# Allegro board 8880F5-0827_6.brd (continued)
## Routing (per net, layer and track width the routed paths; a pad name or vN(x,y) marks a point on that pad's centre or on a via; arc(x,y) is an arc through that point) (continued)
; D103.B4 314.96,61.77 ; D103.B4 315.77,60.96 ; 252.33,180.85 SITE3.G5 ; SITE3.G5 252.33,181.81 ; SITE3.G5 251.85,181.33 ; SITE3.G5 252.81,181.33 ; D104.B1 307.34,38.91 ; D104.B1 308.15,38.1 ; D104.B1 307.34,37.29 ; D104.B1 306.53,38.1 ; 187.15,76.2 D118.A12 ; D118.A12 188.77,76.2 ; D118.A12 187.96,77.01 ; D118.A12 187.96,75.39 ; D109.A13 391.16,336.09 ; D109.A13 391.97,335.28 ; D109.A13 390.35,335.28 ; D109.A13 391.16,334.47 ; 160.02,385.27 D431.A17 ; D431.A17 159.21,386.08 ; D431.A17 160.02,386.89 ; D431.A17 160.83,386.08 ; D305.B13 412.19,88.9 ; D305.B13 411.48,89.61 ; D305.B13 410.77,88.9 ; D305.B13 411.48,88.19 ; D116.A13 317.5,397.05 ; D116.A13 317.5,395.43 ; D116.A13 316.69,396.24 ; D116.A13 318.31,396.24 ; D104.B4 314.96,41.45 ; D104.B4 315.77,40.64 ; D104.B4 314.96,39.83 ; D104.B4 314.15,40.64 ; D103.B16 346.25,60.96 ; D103.B16 345.44,61.77 ; D103.B16 345.44,60.15 ; D103.B16 344.63,60.96 ; D111.B16 383.54,369.11 ; D111.B16 383.54,367.49 ; D111.B16 384.35,368.3 ; D111.B16 382.73,368.3 ; 325.12,347.17 D114.B10 ; D114.B10 324.31,347.98 ; D114.B10 325.12,348.79 ; D114.B10 325.93,347.98 ; 175.26,385.27 D431.A11 ; D431.A11 174.45,386.08 ; D431.A11 176.07,386.08 ; D431.A11 175.26,386.89 ; 419.1,34.75 D108.A16 ; D108.A16 419.1,36.37 ; D108.A16 419.91,35.56 ; D108.A16 418.29,35.56 ; 193.04,90.73 D317.B14 ; D317.B14 193.04,92.15 ; D317.B14 193.75,91.44 ; D317.B14 192.33,91.44 ; D302.B14 340.36,71.83 ; D302.B14 339.65,71.12 ; D302.B14 341.07,71.12 ; D302.B14 340.36,70.41 ; 383.54,372.57 D111.A16 ; D111.A16 382.73,373.38 ; D111.A16 384.35,373.38 ; D111.A16 383.54,374.19 ; 391.16,18.24 DPS1.C05 ; DPS1.C05 390.35,19.05 ; DPS1.C05 391.97,19.05 ; DPS1.C05 391.16,19.86 ; 93.17,76.2 D130.A4 ; D130.A4 93.98,77.01 ; D130.A4 93.98,75.39 ; D130.A4 94.79,76.2 ; D111.B3 417.37,370.84 ; D111.B3 415.75,370.84 ; D111.B3 416.56,371.65 ; D111.B3 416.56,370.03 ; 332.74,375.11 D115.A7 ; D115.A7 333.55,375.92 ; D115.A7 331.93,375.92 ; D115.A7 332.74,376.73 ; 328.55,246.43 SITE2.G17 ; SITE2.G17 329.03,245.95 ; SITE2.G17 329.03,246.91 ; SITE2.G17 329.51,246.43 ; D321.B6 246.38,92.15 ; D321.B6 245.67,91.44 ; D321.B6 247.09,91.44 ; D321.B6 246.38,90.73 ; 251.46,80.47 D122.B8 ; D122.B8 252.27,81.28 ; D122.B8 250.65,81.28 ; D122.B8 251.46,82.09 ; D108.A12 408.94,36.37 ; D108.A12 408.94,34.75 ; D108.A12 409.75,35.56 ; D108.A12 408.13,35.56 ; CSDPS429.C3 195.58,341.17 ; CSDPS429.C3 195.58,339.55 ; CSDPS429.C3 194.77,340.36 ; CSDPS429.C3 196.39,340.36 ; D108.B1 381.81,38.1 ; D108.B1 381,38.91 ; D108.B1 381,37.29 ; D108.B1 380.19,38.1 ; 243.84,77.93 D122.B5 ; D122.B5 244.65,78.74 ; D122.B5 243.84,79.55 ; D122.B5 243.03,78.74 ; 400.51,370.84 D111.B9 ; D111.B9 401.32,370.03 ; D111.B9 401.32,371.65 ; D111.B9 402.13,370.84 ; D122.B6 247.19,81.28 ; D122.B6 246.38,80.47 ; D122.B6 246.38,82.09 ; D122.B6 245.57,81.28 ; D302.A2 310.59,66.04 ; D302.A2 309.88,65.33 ; D302.A2 309.88,66.75 ; D302.A2 309.17,66.04 ; 413.21,76.2 D106.A14 ; D106.A14 414.02,77.01 ; D106.A14 414.02,75.39 ; D106.A14 414.83,76.2 ; D107.B12 409.75,60.96 ; D107.B12 408.13,60.96 ; D107.B12 408.94,61.77 ; D107.B12 408.94,60.15 ; 93.98,60.15 D131.B4 ; D131.B4 94.79,60.96 ; D131.B4 93.17,60.96 ; D131.B4 93.98,61.77 ; 245.57,40.64 D124.B6 ; D124.B6 246.38,41.45 ; D124.B6 246.38,39.83 ; D124.B6 247.19,40.64 ; 420.83,350.52 D110.B1 ; D110.B1 422.45,350.52 ; D110.B1 421.64,349.71 ; D110.B1 421.64,351.33 ; D112.A8 403.86,394.51 ; D112.A8 403.86,392.89 ; D112.A8 404.67,393.7 ; D112.A8 403.05,393.7 ; 15.24,95.71 D125.A2 ; D125.A2 16.05,96.52 ; D125.A2 14.43,96.52 ; D125.A2 15.24,97.33 ; CSDPS225.B6 262.43,332.74 ; CSDPS225.B6 261.62,331.93 ; CSDPS225.B6 260.81,332.74 ; CSDPS225.B6 261.62,333.55 ; 264.16,88.19 D321.B13 ; D321.B13 263.45,88.9 ; D321.B13 264.87,88.9 ; D321.B13 264.16,89.61 ; D231.A14 168.45,373.38 ; D231.A14 166.83,373.38 ; D231.A14 167.64,372.57 ; D231.A14 167.64,374.19 ; D104.A7 322.58,33.83 ; D104.A7 323.39,33.02 ; D104.A7 321.77,33.02 ; D104.A7 322.58,32.21 ; CSDPS229.B6 188.77,332.74 ; CSDPS229.B6 187.96,331.93 ; CSDPS229.B6 187.96,333.55 ; CSDPS229.B6 187.15,332.74 ; D129.B15 122.73,99.06 ; D129.B15 121.92,98.25 ; D129.B15 121.11,99.06 ; D129.B15 121.92,99.87 ; D112.B1 421.64,391.97 ; D112.B1 422.45,391.16 ; D112.B1 421.64,390.35 ; D112.B1 420.83,391.16 ; 259.08,67.87 D322.B11 ; D322.B11 259.79,68.58 ; D322.B11 258.37,68.58 ; D322.B11 259.08,69.29 ; 27.13,33.02 D128.A7 ; D128.A7 27.94,32.21 ; D128.A7 27.94,33.83 ; D128.A7 28.75,33.02 ; 200.66,385.27 D431.A1 ; D431.A1 200.66,386.89 ; D431.A1 201.47,386.08 ; D431.A1 199.85,386.08 ; 197.31,55.88 D119.A16 ; D119.A16 198.12,55.07 ; D119.A16 198.12,56.69 ; D119.A16 198.93,55.88 ; 416.56,57.61 D107.B15 ; D107.B15 417.37,58.42 ; D107.B15 415.75,58.42 ; D107.B15 416.56,59.23 ; 12.7,57.61 D127.B1 ; D127.B1 12.7,59.23 ; D127.B1 11.89,58.42 ; D127.B1 13.51,58.42 ; 235.51,91.44 D321.B2 ; D321.B2 236.22,90.73 ; D321.B2 236.22,92.15 ; D321.B2 236.93,91.44 ; D305.B11 407.11,88.9 ; D305.B11 406.4,88.19 ; D305.B11 406.4,89.61 ; D305.B11 405.69,88.9 ; 252.33,247.45 SITE1.G11 ; SITE1.G11 252.33,248.41 ; SITE1.G11 251.85,247.93 ; SITE1.G11 252.81,247.93 ; 314.96,372.57 D115.A14 ; D115.A14 315.77,373.38 ; D115.A14 314.15,373.38 ; D115.A14 314.96,374.19 ; 311.61,375.92 D115.A15 ; D115.A15 313.23,375.92 ; D115.A15 312.42,375.11 ; D115.A15 312.42,376.73 ; 251.46,65.33 D322.A8 ; D322.A8 250.75,66.04 ; D322.A8 252.17,66.04 ; D322.A8 251.46,66.75 ; D126.A7 27.94,74.47 ; D126.A7 27.94,72.85 ; D126.A7 28.75,73.66 ; D126.A7 27.13,73.66 ; D102.B9 328.47,78.74 ; D102.B9 326.85,78.74 ; D102.B9 327.66,79.55 ; D102.B9 327.66,77.93 ; 180.34,32.21 D120.A9 ; D120.A9 181.15,33.02 ; D120.A9 180.34,33.83 ; D120.A9 179.53,33.02 ; D125.A1 13.51,93.98 ; D125.A1 12.7,93.17 ; D125.A1 12.7,94.79 ; D125.A1 11.89,93.98 ; D305.A10 404.57,86.36 ; D305.A10 403.15,86.36 ; D305.A10 403.86,87.07 ; D305.A10 403.86,85.65 ; UNK2U1.4 483.53,228.55 ; UNK2U1.4 482.59,227.61 ; UNK2U1.4 481.65,228.55 ; UNK2U1.4 482.59,229.49 ; D131.B15 121.92,59.23 ; D131.B15 121.92,57.61 ; D131.B15 122.73,58.42 ; D131.B15 121.11,58.42 ; 116.84,77.93 D130.B13 ; D130.B13 116.84,79.55 ; D130.B13 116.03,78.74 ; D130.B13 117.65,78.74 ; D322.A12 262.33,66.04 ; D322.A12 260.91,66.04 ; D322.A12 261.62,66.75 ; D322.A12 261.62,65.33 ; DPS8.C01 201.47,410.21 ; DPS8.C01 200.66,409.4 ; DPS8.C01 199.85,410.21 ; DPS8.C01 200.66,411.02 ; 187.96,65.33 D318.A12 ; D318.A12 187.25,66.04 ; D318.A12 187.96,66.75 ; D318.A12 188.67,66.04 ; 160.02,88.19 D317.B1 ; D317.B1 159.31,88.9 ; D317.B1 160.73,88.9 ; D317.B1 160.02,89.61 ; D113.B3 343.71,330.2 ; D113.B3 342.09,330.2 ; D113.B3 342.9,329.39 ; D113.B3 342.9,331.01 ; D302.A14 341.07,66.04 ; D302.A14 340.36,65.33 ; D302.A14 340.36,66.75 ; D302.A14 339.65,66.04 ; U1.4 97.98,205.54 ; U1.4 97.04,204.6 ; U1.4 97.04,206.48 ; U1.4 96.1,205.54 ; 118.57,60.96 D131.B14 ; D131.B14 120.19,60.96 ; D131.B14 119.38,61.77 ; D131.B14 119.38,60.15 ; 393.7,331.93 D109.A12 ; D109.A12 392.89,332.74 ; D109.A12 394.51,332.74 ; D109.A12 393.7,333.55 ; 314.15,76.2 D102.A4 ; D102.A4 315.77,76.2 ; D102.A4 314.96,77.01 ; D102.A4 314.96,75.39 ; 95.71,38.1 D132.B5 ; D132.B5 96.52,38.91 ; D132.B5 97.33,38.1 ; D132.B5 96.52,37.29 ; D126.A12 40.64,77.01 ; D126.A12 40.64,75.39 ; D126.A12 39.83,76.2 ; D126.A12 41.45,76.2 ; 311.71,88.9 D301.B3 ; D301.B3 312.42,88.19 ; D301.B3 312.42,89.61 ; D301.B3 313.13,88.9 ; D113.A11 323.39,335.28 ; D113.A11 321.77,335.28 ; D113.A11 322.58,334.47 ; D113.A11 322.58,336.09 ; D120.A14 193.85,35.56 ; D120.A14 193.04,34.75 ; D120.A14 192.23,35.56 ; D120.A14 193.04,36.37 ; D318.B6 172.72,71.83 ; D318.B6 172.72,70.41 ; D318.B6 172.01,71.12 ; D318.B6 173.43,71.12 ; SITE2.G13 329.51,242.83 ; SITE2.G13 329.03,243.31 ; SITE2.G13 329.03,242.35 ; SITE2.G13 328.55,242.83 ; D126.A10 35.56,77.01 ; D126.A10 35.56,75.39 ; D126.A10 36.37,76.2 ; D126.A10 34.75,76.2 ; 195.58,370.03 D231.B3 ; D231.B3 196.39,370.84 ; D231.B3 195.58,371.65 ; D231.B3 194.77,370.84 ; 187.96,34.75 D120.A12 ; D120.A12 187.15,35.56 ; D120.A12 188.77,35.56 ; D120.A12 187.96,36.37 ; 320.04,90.73 D301.B6 ; D301.B6 320.75,91.44 ; D301.B6 320.04,92.15 ; D301.B6 319.33,91.44 ; D115.B11 322.58,371.65 ; D115.B11 323.39,370.84 ; D115.B11 321.77,370.84 ; D115.B11 322.58,370.03 ; 329.39,393.7 D116.A8 ; D116.A8 330.2,392.89 ; D116.A8 331.01,393.7 ; D116.A8 330.2,394.51 ; 314.96,367.49 D115.B14 ; D115.B14 314.96,369.11 ; D115.B14 315.77,368.3 ; D115.B14 314.15,368.3 ; D109.A4 414.83,332.74 ; D109.A4 414.02,333.55 ; D109.A4 414.02,331.93 ; D109.A4 413.21,332.74 ; 118.57,81.28 D130.B14 ; D130.B14 119.38,80.47 ; D130.B14 120.19,81.28 ; D130.B14 119.38,82.09 ; D301.A4 315.67,86.36 ; D301.A4 314.96,87.07 ; D301.A4 314.96,85.65 ; D301.A4 314.25,86.36 ; 392.89,368.3 D111.B12 ; D111.B12 393.7,367.49 ; D111.B12 393.7,369.11 ; D111.B12 394.51,368.3 ; 19.51,96.52 D125.A4 ; D125.A4 20.32,97.33 ; D125.A4 21.13,96.52 ; D125.A4 20.32,95.71 ; D306.A6 394.41,66.04 ; D306.A6 393.7,65.33 ; D306.A6 392.99,66.04 ; D306.A6 393.7,66.75 ; D431.A6 187.96,384.35 ; D431.A6 187.96,382.73 ; D431.A6 187.15,383.54 ; D431.A6 188.77,383.54 ; D231.B2 198.93,368.3 ; D231.B2 198.12,367.49 ; D231.B2 197.31,368.3 ; D231.B2 198.12,369.11 ; D122.A6 247.19,76.2 ; D122.A6 245.57,76.2 ; D122.A6 246.38,75.39 ; D122.A6 246.38,77.01 ; D114.A14 314.96,353.87 ; D114.A14 314.96,352.25 ; D114.A14 314.15,353.06 ; D114.A14 315.77,353.06 ; 27.13,53.34 D127.A7 ; D127.A7 27.94,54.15 ; D127.A7 28.75,53.34 ; D127.A7 27.94,52.53 ; D111.B10 398.78,369.11 ; D111.B10 397.97,368.3 ; D111.B10 399.59,368.3 ; D111.B10 398.78,367.49 ; 195.58,385.27 D431.A3 ; D431.A3 195.58,386.89 ; D431.A3 196.39,386.08 ; D431.A3 194.77,386.08 ; D127.A6 25.4,56.69 ; D127.A6 24.59,55.88 ; D127.A6 25.4,55.07 ; D127.A6 26.21,55.88 ; 264.16,83.11 D321.A13 ; D321.A13 264.87,83.82 ; D321.A13 264.16,84.53 ; D321.A13 263.45,83.82 ; 415.75,78.74 D106.B15 ; D106.B15 416.56,79.55 ; D106.B15 416.56,77.93 ; D106.B15 417.37,78.74 ; 268.43,38.1 D124.B15 ; D124.B15 269.24,37.29 ; D124.B15 270.05,38.1 ; D124.B15 269.24,38.91 ; D231.A16 162.56,374.19 ; D231.A16 163.37,373.38 ; D231.A16 161.75,373.38 ; D231.A16 162.56,372.57 ; D109.B13 391.97,330.2 ; D109.B13 390.35,330.2 ; D109.B13 391.16,329.39 ; D109.B13 391.16,331.01 ; 326.85,350.52 D114.B9 ; D114.B9 328.47,350.52 ; D114.B9 327.66,351.33 ; D114.B9 327.66,349.71 ; 316.69,78.74 D102.B5 ; D102.B5 317.5,79.55 ; D102.B5 318.31,78.74 ; D102.B5 317.5,77.93 ; 390.35,53.34 D107.A5 ; D107.A5 391.97,53.34 ; D107.A5 391.16,52.53 ; D107.A5 391.16,54.15 ; D112.A14 388.62,394.51 ; D112.A14 387.81,393.7 ; D112.A14 389.43,393.7 ; D112.A14 388.62,392.89 ; SITE3.G2 249.33,181.81 ; SITE3.G2 249.81,181.33 ; SITE3.G2 249.33,180.85 ; SITE3.G2 248.85,181.33 ; D118.A8 177.8,77.01 ; D118.A8 176.99,76.2 ; D118.A8 178.61,76.2 ; D118.A8 177.8,75.39 ; 32.21,53.34 D127.A9 ; D127.A9 33.02,54.15 ; D127.A9 33.02,52.53 ; D127.A9 33.83,53.34 ; 411.48,62.79 D306.A13 ; D306.A13 412.19,63.5 ; D306.A13 410.77,63.5 ; D306.A13 411.48,64.21 ; 339.55,81.28 D102.B14 ; D102.B14 341.17,81.28 ; D102.B14 340.36,82.09 ; D102.B14 340.36,80.47 ; D109.B5 411.48,331.01 ; D109.B5 411.48,329.39 ; D109.B5 412.29,330.2 ; D109.B5 410.67,330.2 ; D104.B13 337.82,38.91 ; D104.B13 337.01,38.1 ; D104.B13 337.82,37.29 ; D104.B13 338.63,38.1 ; 380.29,83.82 D305.A1 ; D305.A1 381,83.11 ; D305.A1 381,84.53 ; D305.A1 381.71,83.82 ; 179.53,375.92 D231.A9 ; D231.A9 180.34,376.73 ; D231.A9 180.34,375.11 ; D231.A9 181.15,375.92 ; D124.B14 266.7,41.45 ; D124.B14 266.7,39.83 ; D124.B14 265.89,40.64 ; D124.B14 267.51,40.64 ; 408.94,70.41 D306.B12 ; D306.B12 408.94,71.83 ; D306.B12 409.65,71.12 ; D306.B12 408.23,71.12 ; D127.A4 20.32,56.69 ; D127.A4 20.32,55.07 ; D127.A4 19.51,55.88 ; D127.A4 21.13,55.88 ; D110.B2 419.91,347.98 ; D110.B2 418.29,347.98 ; D110.B2 419.1,348.79 ; D110.B2 419.1,347.17 ; 197.41,91.44 D317.B16 ; D317.B16 198.12,90.73 ; D317.B16 198.12,92.15 ; D317.B16 198.83,91.44 ; D107.A6 393.7,56.69 ; D107.A6 393.7,55.07 ; D107.A6 394.51,55.88 ; D107.A6 392.89,55.88 ; 403.86,367.49 D111.B8 ; D111.B8 403.86,369.11 ; D111.B8 404.67,368.3 ; D111.B8 403.05,368.3 ; D110.A1 421.64,356.41 ; D110.A1 422.45,355.6 ; D110.A1 421.64,354.79 ; D110.A1 420.83,355.6 ; 172.72,39.83 D120.B6 ; D120.B6 172.72,41.45 ; D120.B6 171.91,40.64 ; D120.B6 173.53,40.64 ; 263.35,58.42 D123.B13 ; D123.B13 264.16,57.61 ; D123.B13 264.16,59.23 ; D123.B13 264.97,58.42 ; D118.B1 160.02,79.55 ; D118.B1 160.02,77.93 ; D118.B1 160.83,78.74 ; D118.B1 159.21,78.74 ; 324.31,35.56 D104.A8 ; D104.A8 325.12,36.37 ; D104.A8 325.12,34.75 ; D104.A8 325.93,35.56 ; 189.69,381 D431.B5 ; D431.B5 191.31,381 ; D431.B5 190.5,381.81 ; D431.B5 190.5,380.19 ; 274.32,339.55 CSDPS425.C1 ; CSDPS425.C1 274.32,341.17 ; CSDPS425.C1 273.51,340.36 ; CSDPS425.C1 275.13,340.36 ; 403.86,75.39 D106.A10 ; D106.A10 403.86,77.01 ; D106.A10 403.05,76.2 ; D106.A10 404.67,76.2 ; 258.27,13.97 DPS3.A11 ; DPS3.A11 259.08,13.16 ; DPS3.A11 259.89,13.97 ; DPS3.A11 259.08,14.78 ; D305.A13 411.48,84.53 ; D305.A13 411.48,83.11 ; D305.A13 410.77,83.82 ; D305.A13 412.19,83.82 ; 309.07,81.28 D102.B2 ; D102.B2 309.88,80.47 ; D102.B2 309.88,82.09 ; D102.B2 310.69,81.28 ; 177.8,34.75 D120.A8 ; D120.A8 176.99,35.56 ; D120.A8 178.61,35.56 ; D120.A8 177.8,36.37 ; D306.A10 403.86,66.75 ; D306.A10 404.57,66.04 ; D306.A10 403.15,66.04 ; D306.A10 403.86,65.33 ; 22.86,98.25 D125.B5 ; D125.B5 23.67,99.06 ; D125.B5 22.86,99.87 ; D125.B5 22.05,99.06 ; 406.4,83.11 D305.A11 ; D305.A11 405.69,83.82 ; D305.A11 406.4,84.53 ; D305.A11 407.11,83.82 ; D130.A7 102.41,73.66 ; D130.A7 101.6,72.85 ; D130.A7 101.6,74.47 ; D130.A7 100.79,73.66 ; 88.9,34.75 D132.A2 ; D132.A2 88.9,36.37 ; D132.A2 89.71,35.56 ; D132.A2 88.09,35.56 ; D322.B12 262.33,71.12 ; D322.B12 261.62,71.83 ; D322.B12 260.91,71.12 ; D322.B12 261.62,70.41 ; 243.03,33.02 D124.A5 ; D124.A5 243.84,33.83 ; D124.A5 243.84,32.21 ; D124.A5 244.65,33.02 ; D107.A13 411.48,54.15 ; D107.A13 411.48,52.53 ; D107.A13 412.29,53.34 ; D107.A13 410.67,53.34 ; 419.1,70.41 D306.B16 ; D306.B16 419.1,71.83 ; D306.B16 418.39,71.12 ; D306.B16 419.81,71.12 ; D118.B4 168.45,81.28 ; D118.B4 167.64,82.09 ; D118.B4 167.64,80.47 ; D118.B4 166.83,81.28 ; 397.97,81.28 D106.B8 ; D106.B8 398.78,82.09 ; D106.B8 398.78,80.47 ; D106.B8 399.59,81.28 ; D431.B14 168.45,378.46 ; D431.B14 166.83,378.46 ; D431.B14 167.64,379.27 ; D431.B14 167.64,377.65 ; 335.28,367.49 D115.B6 ; D115.B6 336.09,368.3 ; D115.B6 335.28,369.11 ; D115.B6 334.47,368.3 ; D318.B10 183.59,71.12 ; D318.B10 182.17,71.12 ; D318.B10 182.88,71.83 ; D318.B10 182.88,70.41 ; D130.A9 107.49,73.66 ; D130.A9 106.68,72.85 ; D130.A9 105.87,73.66 ; D130.A9 106.68,74.47 ; SITE1.G9 250.81,247.93 ; SITE1.G9 250.33,247.45 ; SITE1.G9 249.85,247.93 ; SITE1.G9 250.33,248.41 ; D118.B9 181.15,78.74 ; D118.B9 179.53,78.74 ; D118.B9 180.34,79.55 ; D118.B9 180.34,77.93 ; 19.51,81.28 D126.B4 ; D126.B4 21.13,81.28 ; D126.B4 20.32,82.09 ; D126.B4 20.32,80.47 ; 325.12,39.83 D104.B8 ; D104.B8 325.12,41.45 ; D104.B8 324.31,40.64 ; D104.B8 325.93,40.64 ; 321.77,350.52 D114.B11 ; D114.B11 322.58,351.33 ; D114.B11 323.39,350.52 ; D114.B11 322.58,349.71 ; 322.58,72.85 D102.A7 ; D102.A7 322.58,74.47 ; D102.A7 321.77,73.66 ; D102.A7 323.39,73.66 ; 405.59,58.42 D107.B11 ; D107.B11 406.4,59.23 ; D107.B11 407.21,58.42 ; D107.B11 406.4,57.61 ; 255.83,66.04 D322.A10 ; D322.A10 256.54,66.75 ; D322.A10 257.25,66.04 ; D322.A10 256.54,65.33 ; 166.83,368.3 D231.B14 ; D231.B14 168.45,368.3 ; D231.B14 167.64,367.49 ; D231.B14 167.64,369.11 ; D120.A3 165.91,33.02 ; D120.A3 165.1,32.21 ; D120.A3 164.29,33.02 ; D120.A3 165.1,33.83 ; 249.03,182.35 SITE3.G13 ; SITE3.G13 249.51,182.83 ; SITE3.G13 249.03,183.31 ; SITE3.G13 248.55,182.83 ; 238.76,32.21 D124.A3 ; D124.A3 237.95,33.02 ; D124.A3 238.76,33.83 ; D124.A3 239.57,33.02 ; D321.A3 238.76,84.53 ; D321.A3 238.05,83.82 ; D321.A3 239.47,83.82 ; D321.A3 238.76,83.11 ; 44.91,96.52 D125.A14 ; D125.A14 45.72,95.71 ; D125.A14 45.72,97.33 ; D125.A14 46.53,96.52 ; 114.3,100.79 D129.B12 ; D129.B12 113.49,101.6 ; D129.B12 114.3,102.41 ; D129.B12 115.11,101.6 ; D231.B12 172.72,369.11 ; D231.B12 172.72,367.49 ; D231.B12 173.53,368.3 ; D231.B12 171.91,368.3 ; D132.B7 101.6,38.91 ; D132.B7 102.41,38.1 ; D132.B7 101.6,37.29 ; D132.B7 100.79,38.1 ; 413.21,35.56 D108.A14 ; D108.A14 414.83,35.56 ; D108.A14 414.02,34.75 ; D108.A14 414.02,36.37 ; 189.79,88.9 D317.B13 ; D317.B13 191.21,88.9 ; D317.B13 190.5,88.19 ; D317.B13 190.5,89.61 ; 12.7,52.53 D127.A1 ; D127.A1 13.51,53.34 ; D127.A1 11.89,53.34 ; D127.A1 12.7,54.15 ; 327.85,247.93 SITE2.G7 ; SITE2.G7 328.33,248.41 ; SITE2.G7 328.81,247.93 ; SITE2.G7 328.33,247.45 ; D231.B15 165.91,370.84 ; D231.B15 165.1,371.65 ; D231.B15 164.29,370.84 ; D231.B15 165.1,370.03 ; 330.2,60.15 D103.B10 ; D103.B10 329.39,60.96 ; D103.B10 330.2,61.77 ; D103.B10 331.01,60.96 ; D301.B12 335.28,92.15 ; D301.B12 334.57,91.44 ; D301.B12 335.99,91.44 ; D301.B12 335.28,90.73 ; D119.B7 175.26,59.23 ; D119.B7 176.07,58.42 ; D119.B7 174.45,58.42 ; D119.B7 175.26,57.61 ; 271.07,66.04 D322.A16 ; D322.A16 271.78,65.33 ; D322.A16 271.78,66.75 ; D322.A16 272.49,66.04 ; 164.29,78.74 D118.B3 ; D118.B3 165.91,78.74 ; D118.B3 165.1,77.93 ; D118.B3 165.1,79.55 ; D111.B7 406.4,371.65 ; D111.B7 406.4,370.03 ; D111.B7 407.21,370.84 ; D111.B7 405.59,370.84 ; 124.46,100.79 D129.B16 ; D129.B16 125.27,101.6 ; D129.B16 124.46,102.41 ; D129.B16 123.65,101.6 ; D102.A8 325.93,76.2 ; D102.A8 325.12,77.01 ; D102.A8 324.31,76.2 ; D102.A8 325.12,75.39 ; D306.A9 401.32,64.21 ; D306.A9 401.32,62.79 ; D306.A9 402.03,63.5 ; D306.A9 400.61,63.5 ; 334.47,60.96 D103.B12 ; D103.B12 335.28,61.77 ; D103.B12 336.09,60.96 ; D103.B12 335.28,60.15 ; 401.32,83.11 D305.A9 ; D305.A9 400.61,83.82 ; D305.A9 401.32,84.53 ; D305.A9 402.03,83.82 ; D130.A5 97.33,73.66 ; D130.A5 95.71,73.66 ; D130.A5 96.52,72.85 ; D130.A5 96.52,74.47 ; D122.A9 254,74.47 ; D122.A9 254.81,73.66 ; D122.A9 253.19,73.66 ; D122.A9 254,72.85 ; 387.81,347.98 D110.B14 ; D110.B14 388.62,347.17 ; D110.B14 388.62,348.79 ; D110.B14 389.43,347.98 ; D321.B5 243.84,89.61 ; D321.B5 243.84,88.19 ; D321.B5 243.13,88.9 ; D321.B5 244.55,88.9 ; 15.24,55.07 D127.A2 ; D127.A2 15.24,56.69 ; D127.A2 16.05,55.88 ; D127.A2 14.43,55.88 ; D131.A15 121.92,54.15 ; D131.A15 122.73,53.34 ; D131.A15 121.92,52.53 ; D131.A15 121.11,53.34 ; D317.A4 168.35,86.36 ; D317.A4 166.93,86.36 ; D317.A4 167.64,85.65 ; D317.A4 167.64,87.07 ; 335.28,387.81 D116.B6 ; D116.B6 335.28,389.43 ; D116.B6 336.09,388.62 ; D116.B6 334.47,388.62 ; 392.89,40.64 D108.B6 ; D108.B6 394.51,40.64 ; D108.B6 393.7,39.83 ; D108.B6 393.7,41.45 ; 184.61,58.42 D119.B11 ; D119.B11 185.42,59.23 ; D119.B11 185.42,57.61 ; D119.B11 186.23,58.42 ; 418.29,368.3 D111.B2 ; D111.B2 419.91,368.3 ; D111.B2 419.1,367.49 ; D111.B2 419.1,369.11 ; D131.A4 93.98,56.69 ; D131.A4 93.98,55.07 ; D131.A4 93.17,55.88 ; D131.A4 94.79,55.88 ; 180.34,62.79 D318.A9 ; D318.A9 180.34,64.21 ; D318.A9 181.05,63.5 ; D318.A9 179.63,63.5 ; SITE2.G18 330.71,246.43 ; SITE2.G18 330.23,245.95 ; SITE2.G18 330.23,246.91 ; SITE2.G18 329.75,246.43 ; 319.33,71.12 D302.B6 ; D302.B6 320.75,71.12 ; D302.B6 320.04,71.83 ; D302.B6 320.04,70.41 ; D103.B13 337.82,59.23 ; D103.B13 337.82,57.61 ; D103.B13 337.01,58.42 ; D103.B13 338.63,58.42 ; 100.79,99.06 D129.B7 ; D129.B7 102.41,99.06 ; D129.B7 101.6,98.25 ; D129.B7 101.6,99.87 ; 321.77,38.1 D104.B7 ; D104.B7 323.39,38.1 ; D104.B7 322.58,37.29 ; D104.B7 322.58,38.91 ; U2.4 97.14,220.09 ; U2.4 97.14,218.21 ; U2.4 98.08,219.15 ; U2.4 96.2,219.15 ; 93.17,96.52 D129.A4 ; D129.A4 94.79,96.52 ; D129.A4 93.98,95.71 ; D129.A4 93.98,97.33 ; D122.A2 237.03,76.2 ; D122.A2 235.41,76.2 ; D122.A2 236.22,75.39 ; D122.A2 236.22,77.01 ; 118.57,76.2 D130.A14 ; D130.A14 119.38,75.39 ; D130.A14 119.38,77.01 ; D130.A14 120.19,76.2 ; D109.B16 383.54,328.47 ; D109.B16 384.35,327.66 ; D109.B16 382.73,327.66 ; D109.B16 383.54,326.85 ; 248.85,241.33 SITE1.G2 ; SITE1.G2 249.81,241.33 ; SITE1.G2 249.33,241.81 ; SITE1.G2 249.33,240.85 ; 319.23,40.64 D104.B6 ; D104.B6 320.04,41.45 ; D104.B6 320.04,39.83 ; D104.B6 320.85,40.64 ; 170.18,67.87 D318.B5 ; D318.B5 170.89,68.58 ; D318.B5 170.18,69.29 ; D318.B5 169.47,68.58 ; 325.12,367.49 D115.B10 ; D115.B10 325.12,369.11 ; D115.B10 325.93,368.3 ; D115.B10 324.31,368.3 ; D118.A3 165.1,74.47 ; D118.A3 164.29,73.66 ; D118.A3 165.1,72.85 ; D118.A3 165.91,73.66 ; 251.46,331.93 CSDPS225.B10 ; CSDPS225.B10 252.27,332.74 ; CSDPS225.B10 251.46,333.55 ; CSDPS225.B10 250.65,332.74 ; 252.85,181.33 SITE3.G6 ; SITE3.G6 253.33,180.85 ; SITE3.G6 253.33,181.81 ; SITE3.G6 253.81,181.33 ; 414.02,387.81 D112.B4 ; D112.B4 413.21,388.62 ; D112.B4 414.02,389.43 ; D112.B4 414.83,388.62 ; 195.58,32.21 D120.A15 ; D120.A15 195.58,33.83 ; D120.A15 196.39,33.02 ; D120.A15 194.77,33.02 ; 415.75,355.6 D110.A3 ; D110.A3 416.56,356.41 ; D110.A3 417.37,355.6 ; D110.A3 416.56,354.79 ; D131.A6 99.06,56.69 ; D131.A6 99.87,55.88 ; D131.A6 99.06,55.07 ; D131.A6 98.25,55.88 ; 179.53,370.84 D231.B9 ; D231.B9 180.34,371.65 ; D231.B9 180.34,370.03 ; D231.B9 181.15,370.84 ; D118.A9 181.15,73.66 ; D118.A9 180.34,74.47 ; D118.A9 180.34,72.85 ; D118.A9 179.53,73.66 ; 104.14,60.15 D131.B8 ; D131.B8 104.95,60.96 ; D131.B8 103.33,60.96 ; D131.B8 104.14,61.77 ; 391.16,72.85 D106.A5 ; D106.A5 390.35,73.66 ; D106.A5 391.16,74.47 ; D106.A5 391.97,73.66 ; 316.69,355.6 D114.A13 ; D114.A13 317.5,354.79 ; D114.A13 318.31,355.6 ; D114.A13 317.5,356.41 ; 393.7,70.41 D306.B6 ; D306.B6 393.7,71.83 ; D306.B6 392.99,71.12 ; D306.B6 394.41,71.12 ; D122.B16 271.78,82.09 ; D122.B16 270.97,81.28 ; D122.B16 272.59,81.28 ; D122.B16 271.78,80.47 ; 347.17,335.28 D113.A1 ; D113.A1 348.79,335.28 ; D113.A1 347.98,336.09 ; D113.A1 347.98,334.47 ; 332.15,246.43 SITE2.G20 ; SITE2.G20 332.63,245.95 ; SITE2.G20 332.63,246.91 ; SITE2.G20 333.11,246.43 ; CSDPS229.C11 176.07,330.2 ; CSDPS229.C11 175.26,329.39 ; CSDPS229.C11 174.45,330.2 ; CSDPS229.C11 175.26,331.01 ; D122.B10 256.54,82.09 ; D122.B10 256.54,80.47 ; D122.B10 255.73,81.28 ; D122.B10 257.35,81.28 ; 398.78,90.73 D305.B8 ; D305.B8 398.07,91.44 ; D305.B8 399.49,91.44 ; D305.B8 398.78,92.15 ; 396.24,334.47 D109.A11 ; D109.A11 396.24,336.09 ; D109.A11 397.05,335.28 ; D109.A11 395.43,335.28 ; 49.99,81.28 D126.B16 ; D126.B16 50.8,82.09 ; D126.B16 51.61,81.28 ; D126.B16 50.8,80.47 ; CSDPS429.C11 176.07,340.36 ; CSDPS429.C11 174.45,340.36 ; CSDPS429.C11 175.26,339.55 ; CSDPS429.C11 175.26,341.17 ; D128.B1 12.7,38.91 ; D128.B1 13.51,38.1 ; D128.B1 11.89,38.1 ; D128.B1 12.7,37.29 ; 408.13,347.98 D110.B6 ; D110.B6 408.94,348.79 ; D110.B6 408.94,347.17 ; D110.B6 409.75,347.98 ; 177.09,91.44 D317.B8 ; D317.B8 177.8,92.15 ; D317.B8 178.51,91.44 ; D317.B8 177.8,90.73 ; D318.B2 162.56,71.83 ; D318.B2 161.85,71.12 ; D318.B2 163.27,71.12 ; D318.B2 162.56,70.41 ; D114.A7 333.55,355.6 ; D114.A7 332.74,354.79 ; D114.A7 332.74,356.41 ; D114.A7 331.93,355.6 ; SITE3.G7 248.33,188.41 ; SITE3.G7 248.33,187.45 ; SITE3.G7 247.85,187.93 ; SITE3.G7 248.81,187.93 ; D231.A15 165.91,375.92 ; D231.A15 165.1,375.11 ; D231.A15 164.29,375.92 ; D231.A15 165.1,376.73 ; 322.58,354.79 D114.A11 ; D114.A11 321.77,355.6 ; D114.A11 322.58,356.41 ; D114.A11 323.39,355.6 ; 237.95,330.2 CSDPS225.C15 ; CSDPS225.C15 239.57,330.2 ; CSDPS225.C15 238.76,331.01 ; CSDPS225.C15 238.76,329.39 ; 405.59,13.97 DPS1.A11 ; DPS1.A11 406.4,14.78 ; DPS1.A11 407.21,13.97 ; DPS1.A11 406.4,13.16 ; 237.95,78.74 D122.B3 ; D122.B3 239.57,78.74 ; D122.B3 238.76,79.55 ; D122.B3 238.76,77.93 ; D108.A3 386.08,33.83 ; D108.A3 386.08,32.21 ; D108.A3 386.89,33.02 ; D108.A3 385.27,33.02 ; 397.97,393.7 D112.A10 ; D112.A10 399.59,393.7 ; D112.A10 398.78,392.89 ; D112.A10 398.78,394.51 ; D126.B13 43.18,79.55 ; D126.B13 43.18,77.93 ; D126.B13 43.99,78.74 ; D126.B13 42.37,78.74 ; 392.89,327.66 D109.B12 ; D109.B12 394.51,327.66 ; D109.B12 393.7,328.47 ; D109.B12 393.7,326.85 ; D128.A11 38.91,33.02 ; D128.A11 38.1,32.21 ; D128.A11 37.29,33.02 ; D128.A11 38.1,33.83 ; 421.64,375.11 D111.A1 ; D111.A1 420.83,375.92 ; D111.A1 422.45,375.92 ; D111.A1 421.64,376.73 ; 180.34,52.53 D119.A9 ; D119.A9 181.15,53.34 ; D119.A9 180.34,54.15 ; D119.A9 179.53,53.34 ; D110.B10 398.78,348.79 ; D110.B10 399.59,347.98 ; D110.B10 398.78,347.17 ; D110.B10 397.97,347.98 ; 482.59,184.17 UNK4U1.4 ; UNK4U1.4 481.65,185.11 ; UNK4U1.4 482.59,186.05 ; UNK4U1.4 483.53,185.11 ; 332.33,240.85 SITE2.G5 ; SITE2.G5 331.85,241.33 ; SITE2.G5 332.81,241.33 ; SITE2.G5 332.33,241.81 ; 408.94,39.83 D108.B12 ; D108.B12 409.75,40.64 ; D108.B12 408.13,40.64 ; D108.B12 408.94,41.45 ; D317.A1 160.73,83.82 ; D317.A1 160.02,83.11 ; D317.A1 159.31,83.82 ; D317.A1 160.02,84.53 ; D231.B6 187.96,369.11 ; D231.B6 187.96,367.49 ; D231.B6 188.77,368.3 ; D231.B6 187.15,368.3 ; 342.9,37.29 D104.B15 ; D104.B15 342.9,38.91 ; D104.B15 343.71,38.1 ; D104.B15 342.09,38.1 ; 161.75,60.96 D119.B2 ; D119.B2 162.56,60.15 ; D119.B2 163.37,60.96 ; D119.B2 162.56,61.77 ; D306.B13 411.48,69.29 ; D306.B13 412.19,68.58 ; D306.B13 410.77,68.58 ; D306.B13 411.48,67.87 ; 414.02,85.65 D305.A14 ; D305.A14 414.02,87.07 ; D305.A14 413.31,86.36 ; D305.A14 414.73,86.36 ; D116.B7 333.55,391.16 ; D116.B7 332.74,391.97 ; D116.B7 331.93,391.16 ; D116.B7 332.74,390.35 ; D318.B4 168.35,71.12 ; D318.B4 167.64,71.83 ; D318.B4 166.93,71.12 ; D318.B4 167.64,70.41 ; D106.B7 396.24,79.55 ; D106.B7 396.24,77.93 ; D106.B7 397.05,78.74 ; D106.B7 395.43,78.74 ; D317.B11 186.13,88.9 ; D317.B11 184.71,88.9 ; D317.B11 185.42,88.19 ; D317.B11 185.42,89.61 ; D109.B8 403.86,328.47 ; D109.B8 403.86,326.85 ; D109.B8 403.05,327.66 ; D109.B8 404.67,327.66 ; 265.89,81.28 D122.B14 ; D122.B14 267.51,81.28 ; D122.B14 266.7,82.09 ; D122.B14 266.7,80.47 ; 170.18,339.55 CSDPS429.C13 ; CSDPS429.C13 170.18,341.17 ; CSDPS429.C13 170.99,340.36 ; CSDPS429.C13 169.37,340.36 ; D116.B1 347.98,391.97 ; D116.B1 348.79,391.16 ; D116.B1 347.17,391.16 ; D116.B1 347.98,390.35 ; D103.A14 340.36,56.69 ; D103.A14 340.36,55.07 ; D103.A14 339.55,55.88 ; D103.A14 341.17,55.88 ; SITE1.G8 249.81,247.93 ; SITE1.G8 249.33,248.41 ; SITE1.G8 249.33,247.45 ; SITE1.G8 248.85,247.93 ; SITE1.G10 251.33,248.41 ; SITE1.G10 250.85,247.93 ; SITE1.G10 251.33,247.45 ; SITE1.G10 251.81,247.93 ; CSDPS225.C7 259.08,331.01 ; CSDPS225.C7 258.27,330.2 ; CSDPS225.C7 259.89,330.2 ; CSDPS225.C7 259.08,329.39 ; D113.B2 345.44,328.47 ; D113.B2 346.25,327.66 ; D113.B2 345.44,326.85 ; D113.B2 344.63,327.66 ; 194.87,88.9 D317.B15 ; D317.B15 195.58,88.19 ; D317.B15 195.58,89.61 ; D317.B15 196.29,88.9 ; DPS8.C05 191.31,410.21 ; DPS8.C05 189.69,410.21 ; DPS8.C05 190.5,409.4 ; DPS8.C05 190.5,411.02 ; 263.35,33.02 D124.A13 ; D124.A13 264.97,33.02 ; D124.A13 264.16,33.83 ; D124.A13 264.16,32.21 ; 337.82,67.87 D302.B13 ; D302.B13 337.11,68.58 ; D302.B13 337.82,69.29 ; D302.B13 338.53,68.58 ; 118.57,40.64 D132.B14 ; D132.B14 119.38,39.83 ; D132.B14 120.19,40.64 ; D132.B14 119.38,41.45 ; D302.B12 335.99,71.12 ; D302.B12 334.57,71.12 ; D302.B12 335.28,71.83 ; D302.B12 335.28,70.41 ; D113.A13 318.31,335.28 ; D113.A13 316.69,335.28 ; D113.A13 317.5,334.47 ; D113.A13 317.5,336.09 ; D118.B2 163.37,81.28 ; D118.B2 162.56,82.09 ; D118.B2 161.75,81.28 ; D118.B2 162.56,80.47 ; D125.B1 12.7,99.87 ; D125.B1 11.89,99.06 ; D125.B1 13.51,99.06 ; D125.B1 12.7,98.25 ; 342.19,83.82 D301.A15 ; D301.A15 343.61,83.82 ; D301.A15 342.9,83.11 ; D301.A15 342.9,84.53 ; D127.B14 46.53,60.96 ; D127.B14 44.91,60.96 ; D127.B14 45.72,61.77 ; D127.B14 45.72,60.15 ; D131.A9 106.68,54.15 ; D131.A9 107.49,53.34 ; D131.A9 105.87,53.34 ; D131.A9 106.68,52.53 ; 198.12,382.73 D431.A2 ; D431.A2 198.12,384.35 ; D431.A2 198.93,383.54 ; D431.A2 197.31,383.54 ; D122.B12 262.43,81.28 ; D122.B12 261.62,82.09 ; D122.B12 261.62,80.47 ; D122.B12 260.81,81.28 ; D123.A7 249.73,53.34 ; D123.A7 248.92,52.53 ; D123.A7 248.11,53.34 ; D123.A7 248.92,54.15 ; D123.A15 269.24,54.15 ; D123.A15 270.05,53.34 ; D123.A15 269.24,52.53 ; D123.A15 268.43,53.34 ; 322.58,83.11 D301.A7 ; D301.A7 321.87,83.82 ; D301.A7 322.58,84.53 ; D301.A7 323.29,83.82 ; SITE4.G6 333.81,181.33 ; SITE4.G6 332.85,181.33 ; SITE4.G6 333.33,181.81 ; SITE4.G6 333.33,180.85 ; D110.A9 402.13,355.6 ; D110.A9 401.32,356.41 ; D110.A9 401.32,354.79 ; D110.A9 400.51,355.6 ; 418.39,91.44 D305.B16 ; D305.B16 419.1,92.15 ; D305.B16 419.1,90.73 ; D305.B16 419.81,91.44 ; D301.A8 325.83,86.36 ; D301.A8 324.41,86.36 ; D301.A8 325.12,87.07 ; D301.A8 325.12,85.65 ; SITE1.G12 253.81,247.93 ; SITE1.G12 253.33,247.45 ; SITE1.G12 253.33,248.41 ; SITE1.G12 252.85,247.93 ; 195.58,57.61 D119.B15 ; D119.B15 196.39,58.42 ; D119.B15 195.58,59.23 ; D119.B15 194.77,58.42 ; D103.A3 312.42,54.15 ; D103.A3 312.42,52.53 ; D103.A3 313.23,53.34 ; D103.A3 311.61,53.34 ; 252.15,186.43 SITE3.G20 ; SITE3.G20 252.63,186.91 ; SITE3.G20 253.11,186.43 ; SITE3.G20 252.63,185.95 ; D231.B1 200.66,371.65 ; D231.B1 200.66,370.03 ; D231.B1 199.85,370.84 ; D231.B1 201.47,370.84 ; D122.B2 237.03,81.28 ; D122.B2 235.41,81.28 ; D122.B2 236.22,82.09 ; D122.B2 236.22,80.47 ; 413.21,373.38 D111.A4 ; D111.A4 414.02,372.57 ; D111.A4 414.83,373.38 ; D111.A4 414.02,374.19 ; 250.95,186.43 SITE3.G19 ; SITE3.G19 251.91,186.43 ; SITE3.G19 251.43,185.95 ; SITE3.G19 251.43,186.91 ; 197.31,332.74 CSDPS229.B2 ; CSDPS229.B2 198.12,331.93 ; CSDPS229.B2 198.93,332.74 ; CSDPS229.B2 198.12,333.55 ; D431.B7 186.23,381 ; D431.B7 185.42,380.19 ; D431.B7 184.61,381 ; D431.B7 185.42,381.81 ; 259.08,77.93 D122.B11 ; D122.B11 259.89,78.74 ; D122.B11 259.08,79.55 ; D122.B11 258.27,78.74 ; CSDPS429.B8 183.69,342.9 ; CSDPS429.B8 182.07,342.9 ; CSDPS429.B8 182.88,342.09 ; CSDPS429.B8 182.88,343.71 ; 309.88,392.89 D116.A16 ; D116.A16 310.69,393.7 ; D116.A16 309.88,394.51 ; D116.A16 309.07,393.7 ; D110.B11 396.24,351.33 ; D110.B11 397.05,350.52 ; D110.B11 396.24,349.71 ; D110.B11 395.43,350.52 ; D112.A7 407.21,396.24 ; D112.A7 405.59,396.24 ; D112.A7 406.4,397.05 ; D112.A7 406.4,395.43 ; D102.B16 345.44,82.09 ; D102.B16 346.25,81.28 ; D102.B16 344.63,81.28 ; D102.B16 345.44,80.47 ; 187.25,91.44 D317.B12 ; D317.B12 187.96,92.15 ; D317.B12 187.96,90.73 ; D317.B12 188.67,91.44 ; D115.B5 337.82,371.65 ; D115.B5 338.63,370.84 ; D115.B5 337.82,370.03 ; D115.B5 337.01,370.84 ; 114.3,34.75 D132.A12 ; D132.A12 115.11,35.56 ; D132.A12 114.3,36.37 ; D132.A12 113.49,35.56 ; 309.07,353.06 D114.A16 ; D114.A16 309.88,352.25 ; D114.A16 310.69,353.06 ; D114.A16 309.88,353.87 ; 411.48,72.85 D106.A13 ; D106.A13 410.67,73.66 ; D106.A13 411.48,74.47 ; D106.A13 412.29,73.66 ; 406.4,375.11 D111.A7 ; D111.A7 405.59,375.92 ; D111.A7 406.4,376.73 ; D111.A7 407.21,375.92 ; 256.54,90.73 D321.B10 ; D321.B10 257.25,91.44 ; D321.B10 256.54,92.15 ; D321.B10 255.83,91.44 ; D119.A10 182.88,56.69 ; D119.A10 182.07,55.88 ; D119.A10 182.88,55.07 ; D119.A10 183.69,55.88 ; 170.18,77.93 D118.B5 ; D118.B5 170.99,78.74 ; D118.B5 169.37,78.74 ; D118.B5 170.18,79.55 ; D116.A11 322.58,397.05 ; D116.A11 322.58,395.43 ; D116.A11 321.77,396.24 ; D116.A11 323.39,396.24 ; D113.B5 337.82,331.01 ; D113.B5 337.82,329.39 ; D113.B5 337.01,330.2 ; D113.B5 338.63,330.2 ; 408.13,81.28 D106.B12 ; D106.B12 409.75,81.28 ; D106.B12 408.94,80.47 ; D106.B12 408.94,82.09 ; D129.B14 120.19,101.6 ; D129.B14 119.38,100.79 ; D129.B14 118.57,101.6 ; D129.B14 119.38,102.41 ; D113.B4 341.17,327.66 ; D113.B4 339.55,327.66 ; D113.B4 340.36,326.85 ; D113.B4 340.36,328.47 ; CSDPS229.B4 193.85,332.74 ; CSDPS229.B4 192.23,332.74 ; CSDPS229.B4 193.04,333.55 ; CSDPS229.B4 193.04,331.93 ; D321.A6 247.09,86.36 ; D321.A6 246.38,85.65 ; D321.A6 246.38,87.07 ; D321.A6 245.67,86.36 ; 382.83,91.44 D305.B2 ; D305.B2 383.54,92.15 ; D305.B2 383.54,90.73 ; D305.B2 384.25,91.44 ; D129.A8 104.95,96.52 ; D129.A8 103.33,96.52 ; D129.A8 104.14,97.33 ; D129.A8 104.14,95.71 ; D306.B11 407.11,68.58 ; D306.B11 406.4,67.87 ; D306.B11 405.69,68.58 ; D306.B11 406.4,69.29 ; 418.29,388.62 D112.B2 ; D112.B2 419.1,387.81 ; D112.B2 419.1,389.43 ; D112.B2 419.91,388.62 ; D107.B8 399.59,60.96 ; D107.B8 398.78,61.77 ; D107.B8 397.97,60.96 ; D107.B8 398.78,60.15 ; 182.17,86.36 D317.A10 ; D317.A10 182.88,85.65 ; D317.A10 183.59,86.36 ; D317.A10 182.88,87.07 ; 309.88,367.49 D115.B16 ; D115.B16 309.07,368.3 ; D115.B16 310.69,368.3 ; D115.B16 309.88,369.11 ; D124.A16 271.78,36.37 ; D124.A16 271.78,34.75 ; D124.A16 272.59,35.56 ; D124.A16 270.97,35.56 ; D111.A9 402.13,375.92 ; D111.A9 401.32,376.73 ; D111.A9 401.32,375.11 ; D111.A9 400.51,375.92 ; 418.29,393.7 D112.A2 ; D112.A2 419.1,392.89 ; D112.A2 419.91,393.7 ; D112.A2 419.1,394.51 ; 160.02,32.21 D120.A1 ; D120.A1 160.02,33.83 ; D120.A1 160.83,33.02 ; D120.A1 159.21,33.02 ; 250.65,76.2 D122.A8 ; D122.A8 251.46,77.01 ; D122.A8 251.46,75.39 ; D122.A8 252.27,76.2 ; SITE4.G10 331.33,188.41 ; SITE4.G10 331.81,187.93 ; SITE4.G10 331.33,187.45 ; SITE4.G10 330.85,187.93 ; D306.B14 414.73,71.12 ; D306.B14 413.31,71.12 ; D306.B14 414.02,71.83 ; D306.B14 414.02,70.41 ; D125.A9 33.02,94.79 ; D125.A9 32.21,93.98 ; D125.A9 33.02,93.17 ; D125.A9 33.83,93.98 ; D128.B14 45.72,41.45 ; D128.B14 45.72,39.83 ; D128.B14 44.91,40.64 ; D128.B14 46.53,40.64 ; 44.91,81.28 D126.B14 ; D126.B14 45.72,80.47 ; D126.B14 46.53,81.28 ; D126.B14 45.72,82.09 ; 180.34,385.27 D431.A9 ; D431.A9 180.34,386.89 ; D431.A9 181.15,386.08 ; D431.A9 179.53,386.08 ; 416.56,375.11 D111.A3 ; D111.A3 415.75,375.92 ; D111.A3 417.37,375.92 ; D111.A3 416.56,376.73 ; 421.64,395.43 D112.A1 ; D112.A1 420.83,396.24 ; D112.A1 422.45,396.24 ; D112.A1 421.64,397.05 ; D431.B9 180.34,381.81 ; D431.B9 181.15,381 ; D431.B9 180.34,380.19 ; D431.B9 179.53,381 ; D132.B10 110.03,40.64 ; D132.B10 109.22,39.83 ; D132.B10 109.22,41.45 ; D132.B10 108.41,40.64 ; D116.B9 328.47,391.16 ; D116.B9 326.85,391.16 ; D116.B9 327.66,390.35 ; D116.B9 327.66,391.97 ; D122.B15 270.05,78.74 ; D122.B15 269.24,77.93 ; D122.B15 269.24,79.55 ; D122.B15 268.43,78.74 ; 329.75,186.43 SITE4.G18 ; SITE4.G18 330.71,186.43 ; SITE4.G18 330.23,185.95 ; SITE4.G18 330.23,186.91 ; 400.51,396.24 D112.A9 ; D112.A9 401.32,395.43 ; D112.A9 402.13,396.24 ; D112.A9 401.32,397.05 ; 197.31,60.96 D119.B16 ; D119.B16 198.93,60.96 ; D119.B16 198.12,60.15 ; D119.B16 198.12,61.77 ; D126.A9 33.02,74.47 ; D126.A9 33.02,72.85 ; D126.A9 33.83,73.66 ; D126.A9 32.21,73.66 ; 123.65,55.88 D131.A16 ; D131.A16 125.27,55.88 ; D131.A16 124.46,55.07 ; D131.A16 124.46,56.69 ; D114.A5 337.82,356.41 ; D114.A5 338.63,355.6 ; D114.A5 337.82,354.79 ; D114.A5 337.01,355.6 ; 517.98,203.45 S4_I2C.4 ; S4_I2C.4 518.92,202.51 ; S4_I2C.4 519.86,203.45 ; S4_I2C.4 518.92,204.39 ; D231.A6 188.77,373.38 ; D231.A6 187.96,372.57 ; D231.A6 187.96,374.19 ; D231.A6 187.15,373.38 ; D107.B2 384.35,60.96 ; D107.B2 383.54,61.77 ; D107.B2 382.73,60.96 ; D107.B2 383.54,60.15 ; D124.A12 261.62,36.37 ; D124.A12 260.81,35.56 ; D124.A12 262.43,35.56 ; D124.A12 261.62,34.75 ; CSDPS425.B6 262.43,342.9 ; CSDPS425.B6 261.62,343.71 ; CSDPS425.B6 261.62,342.09 ; CSDPS425.B6 260.81,342.9 ; D302.B11 333.45,68.58 ; D302.B11 332.74,69.29 ; D302.B11 332.74,67.87 ; D302.B11 332.03,68.58 ; 169.37,370.84 D231.B13 ; D231.B13 170.18,371.65 ; D231.B13 170.18,370.03 ; D231.B13 170.99,370.84 ; D318.A8 178.51,66.04 ; D318.A8 177.8,65.33 ; D318.A8 177.09,66.04 ; D318.A8 177.8,66.75 ; 17.78,57.61 D127.B3 ; D127.B3 16.97,58.42 ; D127.B3 17.78,59.23 ; D127.B3 18.59,58.42 ; 271.07,86.36 D321.A16 ; D321.A16 271.78,85.65 ; D321.A16 271.78,87.07 ; D321.A16 272.49,86.36 ; D131.A3 91.44,54.15 ; D131.A3 92.25,53.34 ; D131.A3 91.44,52.53 ; D131.A3 90.63,53.34 ; 109.22,95.71 D129.A10 ; D129.A10 108.41,96.52 ; D129.A10 109.22,97.33 ; D129.A10 110.03,96.52 ; D321.A14 267.41,86.36 ; D321.A14 265.99,86.36 ; D321.A14 266.7,87.07 ; D321.A14 266.7,85.65 ; 337.82,62.79 D302.A13 ; D302.A13 338.53,63.5 ; D302.A13 337.82,64.21 ; D302.A13 337.11,63.5 ; 320.04,80.47 D102.B6 ; D102.B6 320.85,81.28 ; D102.B6 319.23,81.28 ; D102.B6 320.04,82.09 ; 114.3,39.83 D132.B12 ; D132.B12 114.3,41.45 ; D132.B12 113.49,40.64 ; D132.B12 115.11,40.64 ; D126.B12 41.45,81.28 ; D126.B12 39.83,81.28 ; D126.B12 40.64,82.09 ; D126.B12 40.64,80.47 ; D128.B5 23.67,38.1 ; D128.B5 22.86,37.29 ; D128.B5 22.05,38.1 ; D128.B5 22.86,38.91 ; D107.A16 419.1,56.69 ; D107.A16 418.29,55.88 ; D107.A16 419.1,55.07 ; D107.A16 419.91,55.88 ; D431.B1 201.47,381 ; D431.B1 199.85,381 ; D431.B1 200.66,380.19 ; D431.B1 200.66,381.81 ; D119.A8 177.8,56.69 ; D119.A8 178.61,55.88 ; D119.A8 176.99,55.88 ; D119.A8 177.8,55.07 ; 236.22,55.07 D123.A2 ; D123.A2 237.03,55.88 ; D123.A2 236.22,56.69 ; D123.A2 235.41,55.88 ; 85.55,53.34 D131.A1 ; D131.A1 87.17,53.34 ; D131.A1 86.36,52.53 ; D131.A1 86.36,54.15 ; D128.B2 16.05,40.64 ; D128.B2 15.24,39.83 ; D128.B2 15.24,41.45 ; D128.B2 14.43,40.64 ; D102.B4 314.96,82.09 ; D102.B4 315.77,81.28 ; D102.B4 314.15,81.28 ; D102.B4 314.96,80.47 ; D113.A4 340.36,333.55 ; D113.A4 341.17,332.74 ; D113.A4 339.55,332.74 ; D113.A4 340.36,331.93 ; SITE3.G3 250.81,181.33 ; SITE3.G3 250.33,180.85 ; SITE3.G3 250.33,181.81 ; SITE3.G3 249.85,181.33 ; 388.62,367.49 D111.B14 ; D111.B14 387.81,368.3 ; D111.B14 389.43,368.3 ; D111.B14 388.62,369.11 ; D124.B13 264.16,38.91 ; D124.B13 264.16,37.29 ; D124.B13 264.97,38.1 ; D124.B13 263.35,38.1 ; 96.52,32.21 D132.A5 ; D132.A5 96.52,33.83 ; D132.A5 95.71,33.02 ; D132.A5 97.33,33.02 ; 392.89,60.96 D107.B6 ; D107.B6 394.51,60.96 ; D107.B6 393.7,60.15 ; D107.B6 393.7,61.77 ; 330.23,242.35 SITE2.G14 ; SITE2.G14 329.75,242.83 ; SITE2.G14 330.71,242.83 ; SITE2.G14 330.23,243.31 ; D129.B3 92.25,99.06 ; D129.B3 91.44,98.25 ; D129.B3 90.63,99.06 ; D129.B3 91.44,99.87 ; 397.97,55.88 D107.A8 ; D107.A8 398.78,55.07 ; D107.A8 399.59,55.88 ; D107.A8 398.78,56.69 ; CSDPS229.C13 170.99,330.2 ; CSDPS229.C13 169.37,330.2 ; CSDPS229.C13 170.18,329.39 ; CSDPS229.C13 170.18,331.01 ; 340.36,34.75 D104.A14 ; D104.A14 339.55,35.56 ; D104.A14 340.36,36.37 ; D104.A14 341.17,35.56 ; 332.74,37.29 D104.B11 ; D104.B11 332.74,38.91 ; D104.B11 331.93,38.1 ; D104.B11 333.55,38.1 ; SITE4.G15 331.43,183.31 ; SITE4.G15 330.95,182.83 ; SITE4.G15 331.43,182.35 ; SITE4.G15 331.91,182.83 ; 177.8,377.65 D431.B10 ; D431.B10 176.99,378.46 ; D431.B10 177.8,379.27 ; D431.B10 178.61,378.46 ; 121.92,32.21 D132.A15 ; D132.A15 122.73,33.02 ; D132.A15 121.11,33.02 ; D132.A15 121.92,33.83 ; S1_I2C.4 71.55,209.04 ; S1_I2C.4 70.61,208.1 ; S1_I2C.4 69.67,209.04 ; S1_I2C.4 70.61,209.98 ; 16.97,93.98 D125.A3 ; D125.A3 18.59,93.98 ; D125.A3 17.78,93.17 ; D125.A3 17.78,94.79 ; D124.B8 251.46,41.45 ; D124.B8 252.27,40.64 ; D124.B8 251.46,39.83 ; D124.B8 250.65,40.64 ; D302.A10 330.2,66.75 ; D302.A10 330.2,65.33 ; D302.A10 330.91,66.04 ; D302.A10 329.49,66.04 ; D124.B1 233.68,38.91 ; D124.B1 233.68,37.29 ; D124.B1 234.49,38.1 ; D124.B1 232.87,38.1 ; 236.22,331.93 CSDPS225.B16 ; CSDPS225.B16 236.22,333.55 ; CSDPS225.B16 235.41,332.74 ; CSDPS225.B16 237.03,332.74 ; 314.96,331.93 D113.A14 ; D113.A14 314.15,332.74 ; D113.A14 314.96,333.55 ; D113.A14 315.77,332.74 ; 382.73,55.88 D107.A2 ; D107.A2 383.54,56.69 ; D107.A2 383.54,55.07 ; D107.A2 384.35,55.88 ; 180.34,37.29 D120.B9 ; D120.B9 181.15,38.1 ; D120.B9 180.34,38.91 ; D120.B9 179.53,38.1 ; D129.B5 97.33,99.06 ; D129.B5 96.52,99.87 ; D129.B5 95.71,99.06 ; D129.B5 96.52,98.25 ; 103.33,35.56 D132.A8 ; D132.A8 104.14,36.37 ; D132.A8 104.95,35.56 ; D132.A8 104.14,34.75 ; 241.3,39.83 D124.B4 ; D124.B4 240.49,40.64 ; D124.B4 241.3,41.45 ; D124.B4 242.11,40.64 ; D306.B9 402.03,68.58 ; D306.B9 400.61,68.58 ; D306.B9 401.32,67.87 ; D306.B9 401.32,69.29 ; 309.07,35.56 D104.A2 ; D104.A2 309.88,36.37 ; D104.A2 309.88,34.75 ; D104.A2 310.69,35.56 ; D106.A2 384.35,76.2 ; D106.A2 383.54,75.39 ; D106.A2 382.73,76.2 ; D106.A2 383.54,77.01 ; 414.02,392.89 D112.A4 ; D112.A4 414.83,393.7 ; D112.A4 413.21,393.7 ; D112.A4 414.02,394.51 ; 403.86,331.93 D109.A8 ; D109.A8 403.05,332.74 ; D109.A8 404.67,332.74 ; D109.A8 403.86,333.55 ; D103.A12 335.28,56.69 ; D103.A12 334.47,55.88 ; D103.A12 336.09,55.88 ; D103.A12 335.28,55.07 ; 342.09,391.16 D116.B3 ; D116.B3 342.9,391.97 ; D116.B3 342.9,390.35 ; D116.B3 343.71,391.16 ; D130.A1 86.36,74.47 ; D130.A1 86.36,72.85 ; D130.A1 85.55,73.66 ; D130.A1 87.17,73.66 ; 114.3,60.15 D131.B12 ; D131.B12 113.49,60.96 ; D131.B12 115.11,60.96 ; D131.B12 114.3,61.77 ; D129.A16 